# Allegro board MB1167.brd (continued)
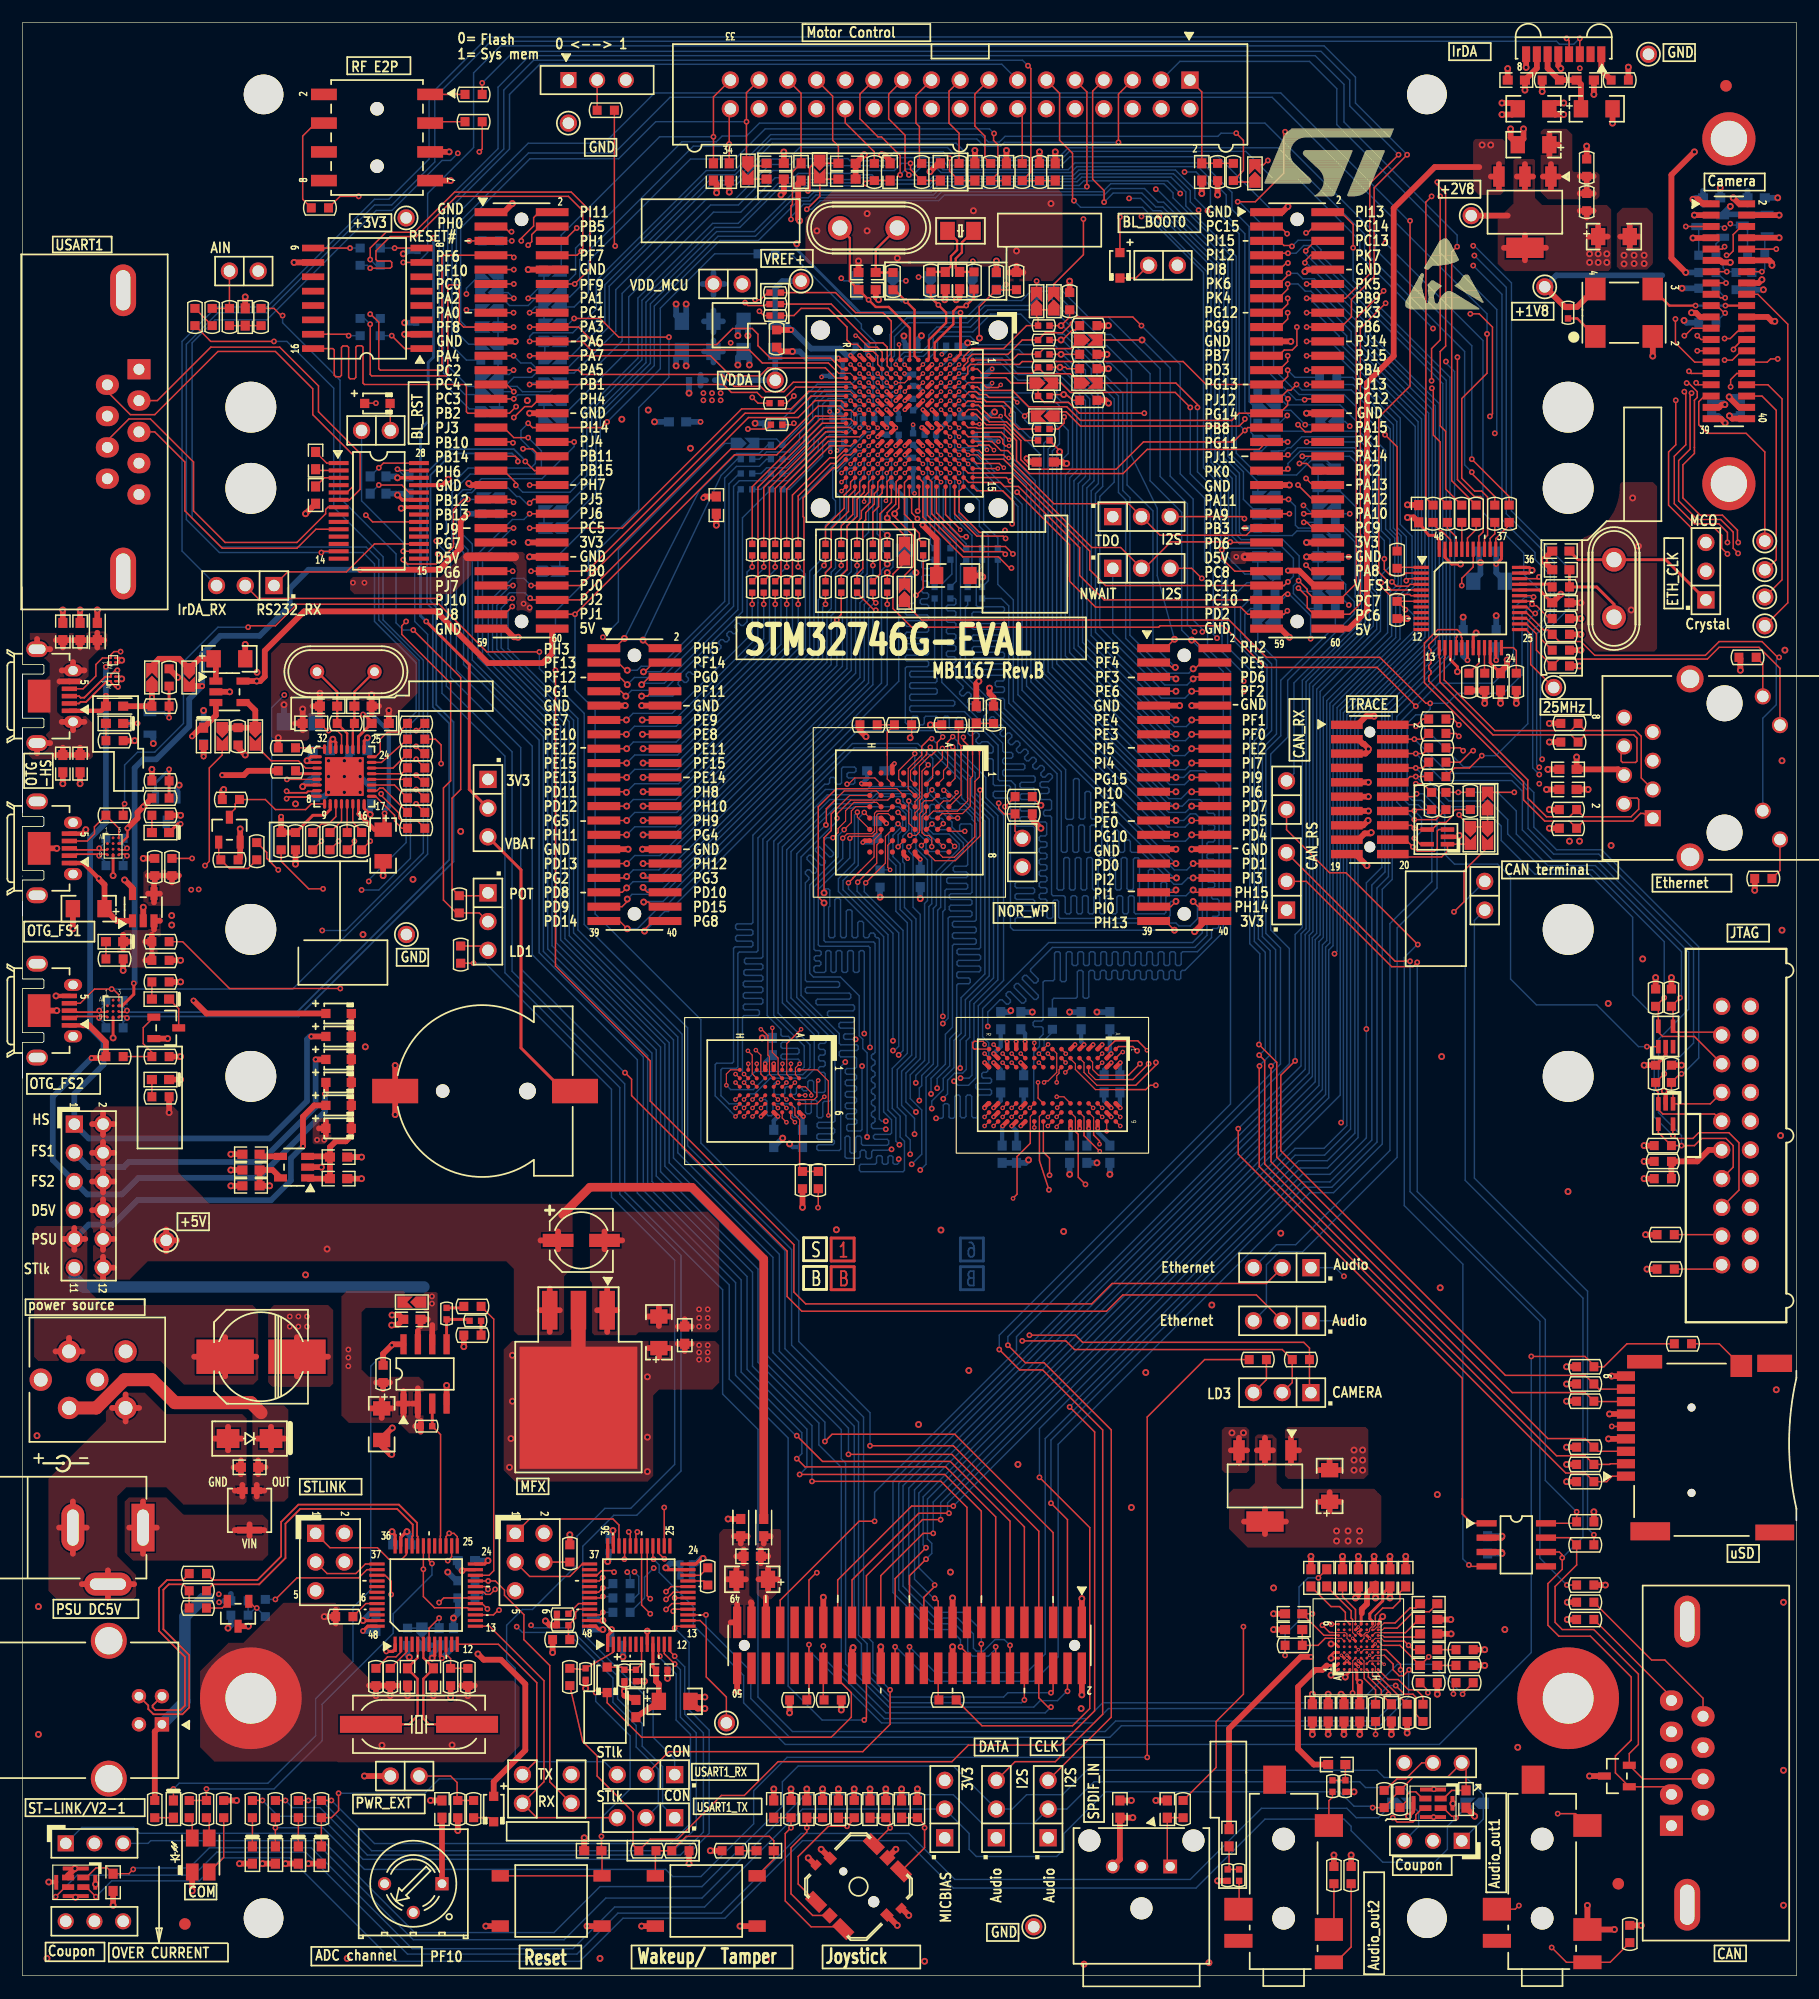
[diagram p0: board, top side]
## Routing (per net, layer and track width the routed paths; a pad name or vN(x,y) marks a point on that pad's centre or on a via; arc(x,y) is an arc through that point) (continued)
  L4_SIG w0.102: v1(43.43,151.96) 43.45,151.94 43.64,151.94 43.94,151.64 44.81,151.64 45.76,150.69 51.37,150.69 54.74,147.32 63.25,147.32 v1(63.88,147.96)
  BOTTOM w0.127: v1(30.73,146.94) 31.11,146.56 R237.2
PF7: length 51.4
  TOP w0.127: v1(64.77,148.21) 65.24,148.21 65.88,148.84 R22.2 ; CN5.8 49.02,152.15 v1(49.4,152.53) 49.53,152.65 49.53,156.08 48.26,157.35 38.35,157.35 34.8,153.8 32.51,153.8 31.24,152.53 31.24,151.76 31.37,151.64 32.51,151.64 32.64,151.51 32.64,151.13 32.51,151 v1(30.73,151)
  L4_SIG w0.102: v1(49.4,152.53) 50.75,152.53 54.86,148.41 64.57,148.41 v1(64.77,148.21)
  BOTTOM w0.127: R228.1 30.48,151.26 v1(30.73,151)
PF8: length 55.2
  TOP w0.127: R41.2 65.02,139.06 v1(64.52,139.57) ; v1(30.73,146.05) 30.73,141.6 30.86,141.48 37.47,141.48 37.59,141.6 37.59,149.4 37.72,149.53 38.48,149.53 38.61,149.4 38.61,146.18 38.99,145.8 CN5.17 v1(43.41,145.8)
  L4_SIG w0.102: v1(64.52,139.57) 64.52,139.85 63.02,141.35 60.99,141.35 59.33,143 51.87,143 49.71,145.16 44.04,145.16 v1(43.41,145.8)
  BOTTOM w0.127: v1(30.73,146.05) 30.23,146.56 R238.1
PF9: length 52.2
  TOP w0.127: R26.2 65.53,146.81 v1(65.15,147.19) ; v1(30.73,151.76) 30.73,152.78 32.13,154.18 34.64,154.18 38.2,157.73 48.51,157.73 50.16,156.08 50.16,150.95 v1(48.82,149.61) CN5.12
  L4_SIG w0.102: v1(48.82,149.61) 51.31,149.61 54.36,146.56 64.52,146.56 v1(65.15,147.19)
  BOTTOM w0.127: R227.2 31.24,151.26 v1(30.73,151.76)
PF10: length 107.1
  TOP w0.127: U4.L1 76.01,143.57 75.56,144.02 74.8,144.02 73.79,145.03 v5(73.66,145.03) ; CN5.9 v1(43.43,150.88) ; JP24.2 40.39,93.98 R302.2 38.35,93.98 37.21,95.12 37.21,105.03 37.85,105.66 37.85,114.3 33.53,118.62 33.53,119.38 v1(33.91,119.76)
  L4_SIG w0.102: v5(73.66,145.03) 72.9,145.03 70.23,147.7 64.52,147.7 63.75,146.94 54.61,146.94 51.31,150.24 44.07,150.24 v1(43.43,150.88) 40.77,150.88 36.83,146.94 36.83,145.54 34.67,143.38 34.67,120.52 v1(33.91,119.76)
PF11: length 109.6
  TOP w0.102: 90.26,74.66 U13.J9
  TOP w0.127: 90.26,74.66 90.26,72.83 90.81,72.29 v1(90.81,70.79) ; CN10.8 55.68,113.59 55.24,113.16 v3(54.74,113.16) ; R51.2 v1(64.52,124.59)
  L4_SIG w0.102: v1(90.81,70.79) 90.63,70.79 89.03,69.19 66.47,69.19 51.31,84.35 51.31,111.84 53.14,113.67 53.85,113.67 54.36,113.16 v3(54.74,113.16)
  BOTTOM w0.127: v1(64.52,124.59) 64.06,124.13 64.06,119.74 63.73,119.4 63.55,119.4 63.36,119.59 63.18,119.59 63,119.41 63,119.23 63.19,119.04 63.19,118.86 63.01,118.68 62.83,118.68 62.64,118.87 62.46,118.87 62.28,118.69 62.28,118.51 62.47,118.32 62.47,118.14 62.29,117.96 62.11,117.96 61.92,118.15 61.74,118.15 61.56,117.97 61.56,117.79 61.75,117.61 61.75,117.43 61.57,117.25 61.39,117.25 61.2,117.43 61.02,117.43 60.84,117.25 60.84,117.07 61.03,116.89 61.03,116.71 60.85,116.53 60.67,116.53 60.48,116.72 60.3,116.72 60.12,116.54 60.12,116.36 60.31,116.17 60.31,115.99 60.13,115.81 59.95,115.81 59.76,116 59.58,116 59.4,115.82 59.4,115.64 59.59,115.45 59.59,115.27 59.41,115.09 59.23,115.09 59.04,115.28 58.86,115.28 58.68,115.1 58.68,114.92 58.87,114.73 58.87,114.55 58.69,114.37 58.51,114.37 58.33,114.56 58.15,114.56 57.97,114.38 57.97,114.2 58.15,114.01 58.15,113.83 57.48,113.16 v3(54.74,113.16)
PG6: length 51.2
  TOP w0.127: U4.J15 77.47,131.55 77.47,129.79 77.11,129.44 v3(77.11,129.29) 77.11,129.01 78.79,127.33 78.79,124.64 77.98,123.83 SB11.1 ; CN5.51 v1(43.33,124.21)
  L4_SIG w0.102: v1(43.33,124.21) 44.2,124.21 44.65,123.75 49.2,123.75 49.91,124.46 62.48,124.46 64.01,122.94 73.91,122.94 74.68,123.7 74.68,126.36 77.11,128.8 v3(77.11,129.29)
PG7: length 47
  TOP w0.127: CN5.47 v1(43.41,126.75) ; SB10.1 77.98,127.38 v3(76.45,128.91) 76.45,129.38 77.2,130.13 77.2,130.71 77.24,130.75 77.24,132.12 U4.J14
  L4_SIG w0.102: v1(43.41,126.75) 43.92,126.24 44.86,126.24 45.62,125.48 61.98,125.48 64.01,123.44 73.53,123.44 74.3,124.21 74.3,126.75 v3(76.45,128.91)
PG8: length 120.6
  TOP w0.102: v5(90.68,82.36) U13.J1
  TOP w0.127: v3(54.99,92.38) 54.99,92.5 55.76,93.27 CN10.40 ; v1(78.99,122.07) 79.02,122.07 79.63,122.68 R61.2
  L4_SIG w0.102: v3(54.99,92.38) 55.22,92.38 55.35,92.25 55.35,91.95 55.42,91.87 55.7,91.87 55.78,91.95 55.78,92.25 55.91,92.38 56.1,92.38 56.2,92.27 56.2,91.91 56.32,91.8 56.49,91.8 56.6,91.91 56.6,92.27 56.71,92.38 56.91,92.38 57.01,92.27 57.01,92.02 57.11,91.92 57.32,91.92 57.42,92.02 57.42,92.27 57.52,92.38 57.72,92.38 57.82,92.27 57.82,92.02 57.93,91.92 58.13,91.92 58.23,92.02 58.23,92.27 58.33,92.38 58.54,92.38 58.64,92.27 58.64,92.02 58.74,91.92 58.94,91.92 59.04,92.02 59.04,92.27 59.14,92.38 59.35,92.38 59.45,92.27 59.45,92.02 59.55,91.92 59.75,91.92 59.86,92.02 59.86,92.27 59.96,92.38 60.16,92.38 60.26,92.27 60.26,92.02 60.36,91.92 60.57,91.92 60.67,92.02 60.67,92.27 60.77,92.38 60.97,92.38 61.08,92.27 61.08,92.02 61.18,91.92 61.38,91.92 61.48,92.02 61.48,92.27 61.58,92.38 61.79,92.38 61.89,92.27 61.89,92.02 61.99,91.92 62.19,91.92 62.29,92.02 62.29,92.27 62.4,92.38 62.6,92.38 62.7,92.27 62.7,92.02 62.8,91.92 63.01,91.92 63.11,92.02 63.11,92.27 63.21,92.38 63.41,92.38 63.51,92.27 63.51,92.02 63.62,91.92 63.82,91.92 63.92,92.02 63.92,92.27 64.02,92.38 64.22,92.38 64.33,92.27 64.33,92.02 64.43,91.92 64.63,91.92 64.73,92.02 64.73,92.27 64.83,92.38 65.04,92.38 65.14,92.27 65.14,92.02 65.24,91.92 65.44,91.92 65.55,92.02 65.55,92.27 65.65,92.38 65.85,92.38 65.95,92.27 65.95,92.02 66.05,91.92 66.26,91.92 66.36,92.02 66.36,92.27 66.46,92.38 66.66,92.38 66.76,92.27 66.76,92.02 66.87,91.92 67.07,91.92 67.17,92.02 67.17,92.27 67.27,92.38 67.48,92.38 67.58,92.27 67.58,92.02 67.68,91.92 67.88,91.92 67.98,92.02 67.98,92.27 68.09,92.38 68.29,92.38 68.39,92.27 68.39,92.02 68.49,91.92 68.7,91.92 68.8,92.02 68.8,92.27 68.9,92.38 69.1,92.38 69.2,92.27 69.2,92.02 69.3,91.92 69.51,91.92 69.61,92.02 69.61,92.27 69.71,92.38 69.91,92.38 70.02,92.27 70.02,92.02 70.12,91.92 70.32,91.92 70.42,92.02 70.42,92.27 70.52,92.38 70.73,92.38 70.83,92.27 70.83,92.02 70.93,91.92 71.13,91.92 71.24,92.02 71.24,92.27 71.34,92.38 71.54,92.38 71.64,92.27 71.64,92.02 71.74,91.92 71.95,91.92 72.05,92.02 72.05,92.27 72.15,92.38 72.35,92.38 72.45,92.27 72.45,92.02 72.56,91.92 72.76,91.92 72.86,92.02 72.86,92.27 72.96,92.38 73.17,92.38 73.27,92.27 73.27,92.02 73.37,91.92 73.57,91.92 73.67,92.02 73.67,92.27 73.78,92.38 73.98,92.38 74.08,92.27 74.08,92.02 74.18,91.92 74.38,91.92 74.49,92.02 74.49,92.27 74.59,92.38 74.79,92.38 74.89,92.27 74.89,92.02 74.99,91.92 75.2,91.92 75.3,92.02 75.3,92.27 75.4,92.38 75.6,92.38 75.71,92.27 75.71,92.02 75.81,91.92 76.01,91.92 76.11,92.02 76.11,92.27 76.21,92.38 76.42,92.38 76.52,92.27 76.52,92.02 76.62,91.92 76.82,91.92 76.92,92.02 76.92,92.27 77.03,92.38 77.23,92.38 77.33,92.27 77.33,92.02 77.43,91.92 77.64,91.92 77.74,92.02 77.74,92.27 77.84,92.38 78.04,92.38 78.14,92.27 78.14,92.02 78.25,91.92 78.45,91.92 78.55,92.02 78.55,92.27 78.65,92.38 78.86,92.38 78.96,92.27 78.96,92.02 79.06,91.92 79.26,91.92 79.36,92.02 79.36,92.27 79.46,92.38 79.67,92.38 79.77,92.27 79.77,92.02 79.87,91.92 80.07,91.92 80.18,92.02 80.18,92.27 80.28,92.38 80.48,92.38 80.58,92.27 80.58,92.02 80.68,91.92 80.89,91.92 80.99,92.02 80.99,92.27 81.09,92.38 81.29,92.38 81.4,92.27 81.4,92.02 81.5,91.92 81.7,91.92 81.8,92.02 81.8,92.27 81.9,92.38 82.11,92.38 82.21,92.27 82.21,92.02 82.31,91.92 82.51,91.92 82.61,92.02 82.61,92.27 82.72,92.38 82.92,92.38 83.02,92.27 83.02,92.02 83.12,91.92 83.33,91.92 83.43,92.02 83.43,92.27 83.53,92.38 83.73,92.38 83.83,92.27 83.83,92.02 83.94,91.92 84.14,91.92 84.24,92.02 84.24,92.27 84.34,92.38 84.54,92.38 84.65,92.27 84.65,92.02 84.75,91.92 84.95,91.92 85.05,92.02 85.05,92.27 85.15,92.38 85.36,92.38 85.46,92.27 85.46,92.02 85.56,91.92 85.76,91.92 85.87,92.02 85.87,92.27 85.97,92.38 86.17,92.38 86.27,92.27 86.27,92.02 86.37,91.92 86.58,91.92 86.68,92.02 86.68,92.27 86.78,92.38 86.98,92.38 87.08,92.27 87.08,92.02 87.19,91.92 87.39,91.92 87.49,92.02 87.49,92.27 87.59,92.38 87.8,92.38 87.9,92.27 87.9,92.02 88,91.92 88.2,91.92 88.3,92.02 88.3,92.27 88.41,92.38 90.5,92.38 90.68,92.2 v5(90.68,82.36)
  BOTTOM w0.127: v1(78.99,122.07) 78.87,121.94 78.87,121.48 78.74,121.35 77.6,121.35 77.47,121.22 77.47,114.47 57.11,94.11 56.77,94.11 55.04,92.38 v3(54.99,92.38)
PG9: length 204.2
  TOP w0.127: R193.2 v1(119.63,21.34) ; v1(111.86,147.07) 111.86,146.51 111.15,145.8 CN6.17 ; v5(82.01,136.09) U4.D9
  L4_SIG w0.089: 116.08,31.5 116.84,30.73 116.84,29.21 117.47,28.57 117.47,26.67
  L4_SIG w0.102: 117.47,26.67 117.47,25.65 117.09,25.27 117.09,24.79 119.63,22.25 v1(119.63,21.34) ; 116.08,31.5 113.03,34.54 113.03,47.5 115.57,50.04 115.57,75.74 117.88,78.05 117.88,86.77 128.98,97.87 129.95,97.87 133.3,101.22 133.3,105.41 v1(134.11,106.22) ; v5(82.01,136.09) 82.37,136.45 84.76,136.45 85.34,137.03 85.34,138.48 85.65,138.79 85.7,138.79 86.36,139.45 86.87,139.45 87.5,140.08 89.66,140.08 90.42,140.84 92.46,140.84 95.76,144.15 108.08,144.15 111,147.07 v1(111.86,147.07) 112.78,147.07 113.26,146.58 115.01,146.58 118.77,150.34 127.38,150.34 v1(128.27,151.23)
  BOTTOM w0.127: v1(128.27,151.23) 130.81,148.69 130.81,128.78 133.73,125.86 133.73,125.25 135.08,123.9 135.08,120.47 133.53,118.92 133.53,106.81 133.93,106.41 133.93,106.41 v1(134.11,106.22)
PG10: length 117
  TOP w0.127: R147.2 70.36,67.94 v1(70.33,67.92) ; U4.C8 v5(82.81,136.89) ; CN11.27 v1(101.98,100.89)
  L4_SIG w0.102: v1(70.33,67.92) 90.53,67.92 94.01,71.4 95.35,71.4 96.01,72.06 96.01,72.2 95.67,72.54 95.67,72.68 95.81,72.83 95.96,72.83 96.3,72.49 96.44,72.49 96.58,72.63 96.58,72.77 96.24,73.11 96.24,73.26 96.39,73.4 96.53,73.4 96.87,73.06 97.01,73.06 97.16,73.21 97.16,73.35 96.82,73.69 96.82,73.83 96.96,73.98 97.11,73.98 97.45,73.64 97.59,73.64 97.73,73.78 97.73,73.92 97.39,74.26 97.39,74.41 97.54,74.55 97.68,74.55 98.02,74.21 98.16,74.21 98.37,74.42 98.37,80.98 99.01,81.61 99.01,86.44 105,92.43 105,100.13 104.88,100.25 102.11,100.25 101.98,100.38 v1(101.98,100.89)
  BOTTOM w0.127: v1(101.98,100.89) 101.17,100.89 88.38,113.68 88.38,130.12 85.09,133.41 85.09,133.6 83.82,134.87 82.65,134.87 82.42,135.1 82.42,136.5 v5(82.81,136.89)
PG11: length 35.9
  TOP w0.127: U4.B8 83.59,136.91 84.34,136.91 84.42,136.83 84.89,136.83 84.93,136.87 86.78,136.87 87.88,135.76 87.88,133.99 89.03,132.84 97.31,132.84 99.44,134.98 109.33,134.98 CN6.33 v1(111.86,135.64)
  BOTTOM w0.127: R252.1 110.49,135.76 SB46.1 111.73,135.76 v1(111.86,135.64)
PG12: length 209.5
  TOP w0.127: CN6.15 111.1,147.07 111.86,147.83 v1(111.86,148.34) ; v1(107.95,30.86) 107.95,24.89 105.54,22.48 105.54,18.41 R215.1 ; U4.C7 v5(82.01,138.49)
  L4_SIG w0.102: v1(107.95,30.86) 107.95,34.42 112.65,39.12 112.65,47.66 115.19,50.2 115.19,75.79 117.45,78.05 117.45,86.84 132.87,102.26 132.87,105.61 v1(134.11,106.86) ; v5(82.01,138.49) 82.45,138.05 82.93,138.05 85.09,140.21 86.61,140.21 87.25,140.84 89.28,140.84 91.19,142.75 92.08,142.75 96.14,146.81 109.35,146.81 110.87,148.34 v1(111.86,148.34) 112.88,148.34 113.49,147.73 114.83,147.73 118.26,151.16 127.41,151.16 v1(128.37,152.12)
  BOTTOM w0.127: v1(134.11,106.86) 133.88,107.09 133.88,118.67 135.43,120.22 135.43,125.04 131.19,129.29 131.19,149.3 v1(128.37,152.12)
PG13: length 34.4
  TOP w0.127: U4.B3 83.58,141.66 83.58,142.25 83.82,142.49 88.14,142.49 88.39,142.75 102.62,142.75 104.65,140.72 CN6.25 111.15,140.72 111.86,141.43 v1(111.86,141.99)
  BOTTOM w0.127: v1(111.86,141.99) 112.5,141.35 R243.1
PG14: length 31.6
  TOP w0.127: v1(111.89,139.45) 111.86,139.42 111.86,138.89 111.15,138.18 CN6.29 107.57,138.18 106.93,137.54 93.54,137.54 92.33,138.75 88.96,138.75 87.52,140.2 84.72,140.2 84.43,140.49 U4.A4
  BOTTOM w0.127: v1(111.89,139.45) 111.51,139.83 111,139.83 R244.1
PG15: length 116.4
  TOP w0.102: v5(89.06,76.74) U13.K7
  TOP w0.127: R44.2 91.69,134.87 v3(91.69,134.77) ; CN11.19 v3(101.98,105.97)
  BOTTOM w0.127: v3(91.69,134.77) 91.44,134.52 91.44,116.03 101.5,105.97 v3(101.98,105.97) 102.67,105.97 103.25,106.55 104.52,106.55 105.79,105.28 105.79,95.85 105.66,95.72 105.26,95.72 105.13,95.59 105.13,95.34 105.26,95.21 105.66,95.21 105.79,95.08 105.79,94.83 105.66,94.7 105.26,94.7 105.13,94.58 105.13,94.32 105.26,94.19 105.66,94.19 105.79,94.07 105.79,93.81 105.66,93.69 105.26,93.69 105.13,93.56 105.13,93.24 105.26,93.11 105.64,93.11 105.77,92.99 105.77,92.73 105.64,92.61 105.26,92.61 105.13,92.48 105.13,91.8 103.88,90.55 102.57,90.55 102.45,90.42 102.45,89.46 102.32,89.33 102.07,89.33 101.94,89.46 101.94,90.42 101.81,90.55 101.56,90.55 101.43,90.42 101.43,89.46 101.3,89.33 101.05,89.33 100.92,89.46 100.92,90.42 100.8,90.55 100.54,90.55 100.41,90.42 100.41,89.46 100.29,89.33 100.03,89.33 99.91,89.46 99.91,90.42 99.78,90.55 99.53,90.55 99.4,90.42 99.4,89.46 99.27,89.33 99.02,89.33 98.89,89.46 98.89,90.42 98.76,90.55 98.51,90.55 98.38,90.42 98.38,89.46 98.26,89.33 98,89.33 97.87,89.46 97.87,90.42 97.75,90.55 97.49,90.55 97.37,90.42 97.37,89.46 97.24,89.33 96.99,89.33 96.86,89.46 96.86,90.42 96.73,90.55 96.48,90.55 96.35,90.42 96.35,89.46 96.22,89.33 95.97,89.33 95.84,89.46 95.84,90.42 95.72,90.55 95.46,90.55 95.33,90.42 95.33,89.46 95.21,89.33 94.95,89.33 94.83,89.46 94.83,90.42 94.7,90.55 94.45,90.55 94.32,90.42 94.32,89.46 94.19,89.33 93.94,89.33 93.81,89.46 93.81,90.42 93.68,90.55 93.43,90.55 93.3,90.42 93.3,89.46 93.18,89.33 92.92,89.33 92.79,89.46 92.79,90.42 92.67,90.55 92.41,90.55 92.29,90.42 92.29,88.04 92.16,87.91 91.88,87.91 91.76,88.04 91.76,90.42 91.63,90.55 91.38,90.55 91.25,90.42 91.25,88.11 91.12,87.99 90.36,87.99 90.23,87.86 90.23,84.55 90.11,84.42 89.48,84.42 89.36,84.3 89.36,84.04 89.48,83.92 90.11,83.92 90.23,83.79 90.23,83.25 89.92,82.93 89.92,82.17 89.41,81.66 89.41,77.09 v5(89.06,76.74)
PH0: length 8
  TOP w0.203: R19.1 77.09,149.1 v1(78.11,148.08) 78.87,147.32 78.87,143.23 U4.G1
  BOTTOM w0.203: 77.47,148.34 77.72,148.08 v1(78.11,148.08)
PH1: length 16.2
  TOP w0.203: X1.1 73.15,153.67 73.15,149.86 C23.1 v1(74.8,148.21) 75.44,147.57 76.58,147.57 78.46,145.69 78.46,142.94 U4.H1
  BOTTOM w0.127: v1(74.8,148.21) 74.12,148.89 73.78,148.89
PH2: length 122.5
  TOP w0.127: CN11.2 104.34,117.4 103.63,118.11 v3(103.38,118.11) ; v5(76.41,140.89) U4.K4
  BOTTOM w0.127: v5(76.41,140.89) 76.41,141.09 75.98,141.52 75.98,141.84 75.98,142.65 76.71,143.38 76.71,145.14 78.18,146.61 83.41,146.61 84.95,148.15 88.33,148.15 89.15,148.97 91.19,148.97 95.01,145.15 96.22,145.15 99.69,141.67 99.69,132.21 102.49,129.41 102.49,119 v3(103.38,118.11) 106.17,115.32 106.17,92.3 102.77,88.9 102.53,88.9 102.41,88.77 102.41,88.21 102.28,88.09 102.03,88.09 101.9,88.21 101.9,88.77 101.77,88.9 101.52,88.9 101.39,88.77 101.39,88.21 101.26,88.09 101.01,88.09 100.88,88.21 100.88,88.77 100.76,88.9 100.5,88.9 100.37,88.77 100.37,88.21 100.25,88.09 99.99,88.09 99.87,88.21 99.87,88.77 99.74,88.9 99.49,88.9 99.36,88.77 99.36,88.21 99.23,88.09 98.98,88.09 98.85,88.21 98.85,88.77 98.72,88.9 98.47,88.9 98.34,88.77 98.34,88.21 98.22,88.09 97.96,88.09 97.83,88.21 97.83,88.77 97.71,88.9 97.45,88.9 97.33,88.77 97.33,88.21 97.2,88.09 96.95,88.09 96.82,88.21 96.82,88.77 96.69,88.9 96.44,88.9 96.31,88.77 96.31,88.21 96.18,88.09 95.93,88.09 95.8,88.21 95.8,88.77 95.68,88.9 95.42,88.9 95.29,88.77 95.29,88.21 95.17,88.09 94.91,88.09 94.79,88.21 94.79,88.77 94.66,88.9 94.41,88.9 94.28,88.77 94.28,86.56 94.15,86.44 93.9,86.44 93.77,86.56 93.77,88.77 93.64,88.9 93.39,88.9 93.26,88.77 93.26,86.56 93.14,86.44 91.19,86.44 91.06,86.31 R287.2
PH3: length 113.9
  TOP w0.102: 89.92,74.66 89.9,74.67 89.9,75.98 U13.J8
  TOP w0.127: v1(90.75,69.49) 89.92,72.06 89.92,74.66 ; v3(53.21,118.26) 52.35,117.4 CN10.1
  L4_SIG w0.102: v1(90.75,69.49) 89.51,68.25 86.79,68.25 86.56,68.48 66.12,68.48 50.67,83.92 50.67,112.09 v3(53.21,118.26)
  BOTTOM w0.127: v3(53.21,118.26) 59.82,131.29 63.14,134.62 65.15,134.62 65.91,135.38 R251.1
PH4: length 111.6
  TOP w0.127: v1(43.43,137.79) 44.4,138.76 45.01,138.76 45.69,139.45 CN5.28 ; R123.2 v1(26.42,100.33) ; U4.H4 v5(78.01,140.09)
  L4_SIG w0.102: v5(78.01,140.09) 77.62,139.7 77.62,138.4 77.01,137.79 76.61,137.79 76.11,137.29 73.79,137.29 72.9,136.4 68.78,136.4 66.42,134.04 56.85,134.04 54.23,136.65 43.74,136.65 43.48,136.91 43.48,137.74 v1(43.43,137.79) 43.05,138.18 39.04,138.18 38.86,138 38.86,112.17 34.9,108.2 33.17,108.2 33.05,108.08 33.05,107.79 33.15,107.69 33.91,107.69 34.01,107.58 34.01,107.38 33.91,107.28 33.15,107.28 33.05,107.18 33.05,106.98 33.15,106.87 33.91,106.87 34.01,106.77 34.01,106.57 33.91,106.47 33.15,106.47 33.05,106.37 33.05,106.16 33.15,106.06 33.91,106.06 34.01,105.96 34.01,105.76 33.91,105.65 33.15,105.65 33.05,105.55 33.05,105.35 33.15,105.25 33.91,105.25 34.01,105.15 34.01,104.94 33.91,104.84 33.15,104.84 33.05,104.74 33.05,104.51 33.15,104.41 33.86,104.41 33.96,104.31 33.96,104.1 33.86,104 33.15,104 33.05,103.9 33.05,103.7 33.15,103.6 33.86,103.6 33.96,103.5 33.96,103.29 33.86,103.19 33.15,103.19 33.05,103.09 33.05,102.89 33.15,102.78 33.86,102.78 33.96,102.68 33.96,102.48 33.86,102.38 33.15,102.38 33.05,102.28 33.05,102.07 33.15,101.97 33.86,101.97 33.96,101.87 33.96,101.67 33.86,101.56 33.15,101.56 33.05,101.46 33.05,100.41 32.46,99.82 26.92,99.82 v1(26.42,100.33)
PH5: length 107.7
  TOP w0.102: 89.1,74.66 89.1,75.98 U13.K8
  TOP w0.127: 89.1,74.66 89.1,73.61 87.93,72.44 87.93,69.11 87.58,68.76 v5(87.58,68.73) ; v3(54.86,118.11) 55.58,117.4 CN10.2
  L4_SIG w0.102: v5(87.58,68.73) 87.48,68.83 66.27,68.83 51,84.1 51,112.09 53.07,117.23 53.95,118.11 v3(54.86,118.11)
  BOTTOM w0.127: v3(54.86,118.11) 61.76,132.68 63.2,134.11 R254.1
PH6: length 176.9
  TOP w0.127: v5(73.21,132.89) U4.P13 ; v1(125.35,157.35) 125.35,144.65 124.59,143.89 v1(124.59,141.05) ; v1(43.61,131.8) 43.61,132.03 42.55,133.1 CN5.37
  L4_SIG w0.102: v1(103.99,156.13) 104.5,155.63 106.93,155.63 108.94,157.63 123.55,157.63 124.26,156.92 124.92,156.92 v1(125.35,157.35) ; v1(124.59,141.05) 124.36,140.82 118.47,140.82 115.06,137.41 113.67,137.41 v1(113.41,137.16) ; v1(43.61,131.8) 44.17,131.8 44.65,132.28 45.06,132.28 46.18,131.17 49.38,131.17 50.32,130.23 63.69,130.23 66.02,127.89 71.5,127.89 73.41,129.79 73.41,132.69 v5(73.21,132.89)
  BOTTOM w0.127: SB45.1 114.53,137.16 v1(113.41,137.16) 112.14,138.43 111.12,138.43 111,138.56 ; v1(43.61,131.8) 44.22,131.19 48.41,131.19 49.89,132.66 49.89,138.02 54.76,142.9 54.76,148.16 61.21,154.61 63.42,154.61 66.93,158.12 68.58,158.12 69.01,158.55 73.63,158.55 74.09,159 74.85,159 75.41,158.45 80.24,158.45 80.7,158.9 93.07,158.9 93.51,159.35 101.76,159.35 103.25,157.86 103.25,156.87 v1(103.99,156.13)
PH7: length 166.1
  TOP w0.127: v1(124.59,157.35) 124.08,156.84 124.08,130.68 R45.2 ; v5(74.01,132.89) U4.N13 ; CN5.40 v1(44.83,131.83)
  L4_SIG w0.102: v1(104.78,156.08) 105.84,156.08 107.67,157.91 124.03,157.91 v1(124.59,157.35) ; v1(44.83,131.83) 45.92,130.73 49.25,130.73 50.14,129.84 63.53,129.84 65.87,127.51 71.81,127.51 74.01,129.71 v5(74.01,132.89)
  BOTTOM w0.127: v1(44.83,131.83) 48.36,131.83 49.53,132.99 49.53,138.18 54.41,143.05 54.41,148.36 61.01,154.97 63.27,154.97 66.8,158.5 68.45,158.5 68.79,158.84 73.29,158.84 73.71,159.26 75.1,159.26 75.56,158.8 80.21,158.8 80.57,159.16 92.86,159.16 93.39,159.68 101.94,159.68 103.66,157.96 103.66,157.2 v1(104.78,156.08)
PI4: length 125.7
  TOP w0.102: 93.09,74.66 93.09,75.91 U13.F8
  TOP w0.127: v1(93.98,69.98) 93.34,70.61 93.34,74.4 93.09,74.66 ; CN11.17 v3(101.98,107.24) ; v5(82.81,141.69) U4.C3
  L4_SIG w0.102: v1(93.98,69.98) 94.49,69.98 99.75,75.23 99.75,79.4 99.87,79.53 100.59,79.53 100.69,79.43 100.69,78.61 100.79,78.51 101,78.51 101.1,78.61 101.1,79.43 101.2,79.53 101.4,79.53 101.51,79.43 101.51,78.61 101.61,78.51 101.81,78.51 101.91,78.61 101.91,79.43 102.01,79.53 102.22,79.53 102.32,79.43 102.32,78.61 102.42,78.51 102.62,78.51 102.72,78.61 102.72,79.43 102.83,79.53 103.03,79.53 103.13,79.43 103.13,78.61 103.23,78.51 103.44,78.51 103.54,78.61 103.54,79.43 103.64,79.53 103.84,79.53 103.94,79.43 103.94,78.61 104.05,78.51 104.25,78.51 104.35,78.61 104.35,79.43 104.45,79.53 104.65,79.53 104.76,79.43 104.76,78.61 104.86,78.51 105.06,78.51 105.16,78.61 105.16,79.43 105.26,79.53 105.47,79.53 105.57,79.43 105.57,78.61 105.67,78.51 105.87,78.51 105.98,78.61 105.98,79.43 106.08,79.53 106.2,79.53 106.32,79.4 106.32,78.64 106.45,78.51 106.65,78.51 106.78,78.64 106.78,79.86 106.68,79.96 106.22,79.96 106.12,80.06 106.12,80.27 106.22,80.37 106.68,80.37 106.78,80.47 106.78,80.67 106.68,80.78 106.22,80.78 106.12,80.88 106.12,81.08 106.22,81.18 106.68,81.18 106.78,81.28 106.78,105.79 104.85,107.72 102.46,107.72 v3(101.98,107.24)
  BOTTOM w0.127: v3(101.98,107.24) 101.68,107.24 92.2,116.71 92.2,132.72 92.84,133.35 92.84,138.78 92.41,139.21 91.84,139.21 91.44,139.6 91.44,140.21 90.55,141.1 88.01,141.1 86.44,142.67 84.5,142.67 83.52,141.69 v5(82.81,141.69)
PI5: length 124.5
  TOP w0.102: 97.73,78.36 94.87,78.36 93.09,80.14 93.09,80.64 92.66,81.08 U13.F2
  TOP w0.127: 97.73,78.36 99.31,78.36 99.69,78.74 v1(100.2,78.74) ; v5(82.01,141.69) U4.D3 ; CN11.15 v3(101.98,108.51)
  L4_SIG w0.102: v3(101.98,108.51) 101.98,108.13 102.08,108.03 105.26,108.03 107.16,106.12 107.16,76.95 107.04,76.83 106.88,76.83 106.76,76.95 106.76,78.08 106.63,78.21 106.41,78.21 106.3,78.11 106.3,76.95 106.19,76.83 106.02,76.83 105.9,76.95 105.9,78.11 105.8,78.21 105.59,78.21 105.49,78.11 105.49,76.95 105.37,76.83 105.2,76.83 105.09,76.95 105.09,78.11 104.98,78.21 104.78,78.21 104.68,78.11 104.68,76.95 104.56,76.83 104.39,76.83 104.27,76.95 104.27,78.11 104.17,78.21 103.97,78.21 103.87,78.11 103.87,76.95 103.75,76.83 103.58,76.83 103.46,76.95 103.46,78.11 103.36,78.21 103.16,78.21 103.05,78.11 103.05,76.95 102.93,76.83 102.77,76.83 102.65,76.95 102.65,78.11 102.55,78.21 102.34,78.21 102.24,78.11 102.24,76.95 102.12,76.83 101.95,76.83 101.83,76.95 101.83,78.11 101.73,78.21 101.53,78.21 101.43,78.11 101.43,76.95 101.31,76.83 101.14,76.83 101.02,76.95 101.02,78.08 100.89,78.21 100.71,78.21 100.58,78.08 100.58,76.96 100.46,76.83 100.25,76.83 100.13,76.96 100.13,78.66 v1(100.2,78.74)
  BOTTOM w0.127: v5(82.01,141.69) 82.41,142.09 83.34,142.09 84.3,143.05 86.6,143.05 88.04,141.6 91.12,141.6 91.46,141.27 91.46,141.27 93.6,139.13 93.6,132.84 92.96,132.21 92.96,117.4 101.85,108.51 v3(101.98,108.51)
PI8: length 225.6
  TOP w0.127: v1(111.89,151.46) 111.73,151.46 111.15,150.88 CN6.9 ; U4.C2 v5(82.81,142.49)
  L4_SIG w0.102: v1(55.8,36.04) 56.29,35.56 69.34,35.56 70.03,34.87 73.8,34.87 117.12,78.19 117.12,87.02 132.54,102.44 132.54,105.99 134.11,107.57 v1(134.37,107.57) ; v1(128.27,152.98) 127.23,151.94 113.06,151.94 112.57,151.46 v1(111.89,151.46) 111.84,151.51 110.26,151.51 109.55,152.22 96.47,152.22 92.84,148.59 91.31,148.59 90.3,147.57 85.85,147.57 82.81,144.53 v5(82.81,142.49)
  BOTTOM w0.127: v1(128.27,152.98) 128.37,152.98 131.65,149.71 131.65,129.54 136.73,124.46 136.73,120.9 134.21,118.39 134.21,107.72 v1(134.37,107.57) ; v1(55.8,36.04) 54.99,35.23 54.99,33.4 R295.1
PI11: length 116.4
  TOP w0.127: v1(44.09,153.42) 44.09,153.64 45.18,154.73 45.18,155.47 45.67,155.96 CN5.2 ; U4.F3 v5(80.41,141.69) ; R124.2 v1(27.94,100.33)
  L4_SIG w0.102: v1(27.94,100.33) 27.94,102.03 28.07,102.16 28.42,102.16 28.55,102.03 28.55,101.09 28.68,100.97 30.1,100.97 31.24,102.11 31.24,109.73 34.24,112.73 34.24,116.76 31.62,119.38 31.62,126.62 34.04,129.03 34.04,139.01 33.63,139.42 33.63,143.61 35.84,145.82 35.84,147.09 41.71,152.96 43.64,152.96 v1(44.09,153.42) 44.22,153.54 52.96,153.54 55.12,151.38 69.52,151.38 73.46,147.45 75.87,147.45 77.11,146.2 77.11,143.97 77.6,143.48 78.18,143.48 79.12,142.54 79.12,141.45 79.27,141.3 79.76,141.3 80.14,141.69 v5(80.41,141.69)
PI12: length 203.2
  TOP w0.127: CN6.7 111.1,152.15 111.28,152.32 v1(111.89,152.32) ; U4.E3 v5(81.21,141.69) ; v1(78.42,29.08) CN20.26
  L4_SIG w0.102: v1(111.89,152.32) 110.49,152.32 109.96,152.86 92.66,152.86 90.32,150.52 90.32,149.63 89.28,148.59 85.72,148.59 81.65,144.52 81.65,142.13 v5(81.21,141.69)
  BOTTOM w0.127: v1(78.42,29.08) 80.71,26.8 88.77,26.8 90.42,28.45 90.42,47.5 113.12,70.2 115.6,70.2 119.3,73.9 119.3,96.44 120.47,97.61 120.47,112.19 125.58,117.3 125.58,140.79 114.31,152.07 114.31,152.56 113.86,153.01 113.28,153.01 112.6,152.32 v1(111.89,152.32)
PI13: length 212.5
  TOP w0.127: CN6.2 116.56,155.96 117.65,154.86 v1(117.65,152.81) ; v1(77.15,29.08) CN20.28 ; U4.G3 v5(79.61,141.69)
  L4_SIG w0.102: v1(117.65,152.81) 114.51,152.81 113.95,153.37 110.69,153.37 110.49,153.57 91.97,153.57 88.39,149.99 85.09,149.99 80.9,145.8 80.9,144.91 80.04,144.04 80.04,142.18 79.61,141.75 v5(79.61,141.69)
  BOTTOM w0.127: v1(77.15,29.08) 77.22,29.08 80.26,26.04 89.41,26.04 91.57,28.19 91.57,46.99 113.82,69.24 115.92,69.24 120.23,73.55 120.23,96.07 121.11,96.95 121.11,111.68 126.21,116.79 126.21,141.35 117.65,149.91 v1(117.65,152.81)
PI14: length 174.1
  TOP w0.127: v1(74.42,22.61) 74.61,22.8 CN20.32 ; v1(51.69,137.41) 51.18,136.91 CN5.32 45.09,136.91 v1(44.7,137.29)
  BOTTOM w0.127: v1(74.42,22.61) 70.7,22.61 67.69,25.61 67.69,47.55 62.48,52.76 62.48,61.09 54.36,69.22 54.36,81 45.06,90.3 45.06,108.74 38.35,115.44 38.35,125.73 37.47,126.62 37.47,131.4 39.39,133.32 44.93,133.32 45.34,133.73 45.34,134.59 44.07,135.86 44.07,136.65 v1(44.7,137.29) ; R225.1 61.2,152.27 56.39,147.47 56.39,142.11 v1(51.69,137.41)
PK7: length 201.8
  TOP w0.127: v1(89.92,44.07) 94.36,39.62 94.36,23.62 92.84,22.1 84.84,22.1 R192.2 ; CN6.8 113.89,152.15 113.39,151.64 v1(113.39,151.49) ; U4.C4 v5(82.81,140.89)
  L4_SIG w0.102: v1(113.39,151.49) 113.23,151.49 112.78,151.03 110.01,151.03 108.33,149.35 94.74,149.35 93.09,147.7 91.57,147.7 87.88,144.02 85.98,144.02 82.85,140.89 v5(82.81,140.89)
  BOTTOM w0.127: v1(89.92,44.07) 89.92,48.39 112.95,71.42 115.39,71.42 118.08,74.12 118.08,110.92 124.92,117.75 124.92,138.83 118.71,145.03 118.71,146.27 113.49,151.49 v1(113.39,151.49)
PWR_ENN: length 12.9
  TOP w0.127: R159.2 36.96,47.85 36.96,38.89 36.94,38.87 U21.28
  TOP w0.254: U17.3 R159.2
RESET#: length 372.7
  TOP w0.127: D2.1 30.27,139.06 v1(31.24,139.06) ; v5(77.5,144.25) 77.54,144.21 77.54,142.96 U4.J1 ; U21.18 37.24,33.41 v1(36.83,32.99) ; U6.29 133.01,121.04 133.58,120.47 v1(133.76,120.47) ; CN20.36 72.07,26.23 73.28,25.02 73.28,22.86 71.5,21.08 54.74,21.08 51.69,24.13 D16.2 v1(50.67,25.04) ; v1(22.61,97.79) 21.59,98.81 21.59,99.33 20.71,100.2 R127.2 ; B1.2 B1.3 51.24,10.99 C99.2 v1(51.18,12.32) ; R104.2 126.62,106.81 127.94,106.81 v1(129.03,107.89)
  L4_SIG w0.102: v1(50.67,25.04) 50.67,26.8 48.39,29.08 41.38,29.08 37.47,32.99 v1(36.83,32.99) 34.39,32.99 30.81,36.57 30.81,61.54 27.56,64.79 27.56,86.61 27.33,86.84 27.33,93.07 v1(22.61,97.79) ; v1(23.14,113.26) 22.05,114.35 22.05,118.06 30.86,126.87 30.86,135.13 31.24,135.51 v1(31.24,139.06) 31.24,141.73 35.46,145.95 35.46,147.28 41.6,153.42 v1(43.26,153.42) 43.28,153.42 43.76,153.9 53.24,153.9 55.3,151.84 69.52,151.84 73.65,147.71 76.09,147.71 77.39,146.41 77.39,144.35 v5(77.5,144.25) 77.78,143.97 79.45,143.97 80.39,144.91 80.39,145.92 82.04,147.57 82.04,148.59 83.69,150.24 87.91,150.24 91.59,153.92 110.97,153.92 111.28,153.62 120.12,153.62 v1(120.5,153.24)
  BOTTOM w0.127: v1(22.61,97.79) 22.02,98.37 22.02,112.14 v1(23.14,113.26) ; v1(120.5,153.24) 129.13,144.6 129.13,129.41 132.74,125.81 132.74,123.93 134.26,122.4 134.26,120.98 v1(133.76,120.47) 133.1,119.81 133.1,110.72 130.27,107.89 v1(129.03,107.89) ; v1(51.18,12.32) 51.18,13.97 53.72,16.51 53.72,21.21 50.67,24.26 v1(50.67,25.04) ; v1(43.26,153.42) R224.1
STL_USB_DM: length 26.1
  TOP w0.155: R166.2 16.83,34.99 20.76,34.99 22.86,37.08 22.86,40.13 24.38,41.66 33.27,41.66 34.88,40.05 34.88,38.9 34.94,38.84 U21.32
STL_USB_DP: length 25.5
  TOP w0.155: R169.2 16.83,34.61 20.92,34.61 23.24,36.93 23.24,39.97 24.54,41.27 33.12,41.27 34.5,39.89 34.5,38.9 34.44,38.84 U21.33
STLINK_RX: length 28.6
  TOP w0.127: U21.13 41.28,30.9 46.1,26.09 46.1,17.14 CN23.1 45.47,13.97 JP20.3
STLINK_TX: length 26.4
  TOP w0.127: CN23.2 45.47,19.05 45.47,25.91 42.07,29.3 U21.12
  BOTTOM w0.127: JP14.3 51.44,18.92 45.34,18.92 CN23.2
STM_JTCK_SWCLK: length 6.2
  TOP w0.127: CN18.3 26.92,35.56 29.46,35.56 30.31,36.41 U21.37
STM_JTMS_SWDIO: length 9.9
  TOP w0.127: CN18.1 27.18,37.85 31.37,37.85 32.38,36.83 33.53,36.83 33.94,37.24 U21.34
STM_RST: length 6.4
  TOP w0.127: U21.7 35.94,30.73 v1(36.83,31.62)
  BOTTOM w0.127: v1(36.83,31.62) C175.2 SB64.2 R297.1
T_JTDO: length 265
  TOP w0.127: U21.16 39.48,32.41 39.34,32.54 36.42,32.54 35.44,33.52 v1(35.44,35.94) U21.31 ; R99.2 127.13,108.58 v1(127.38,108.33) ; v1(151.69,125.78) 151.69,125.81 151.26,126.24 151.26,127.67 150.14,128.78 148.08,128.78 146.43,130.43 146.43,133.99 147.45,135 147.45,139.7 147.57,139.83 v1(147.57,139.95)
  L4_SIG w0.102: v1(147.57,139.95) 147.47,139.95 146.3,138.79 145.9,138.79 140.11,144.58 133.15,144.58 120.45,131.88 113.39,131.88 112.88,132.38 103.84,132.38 103.02,131.57 98.93,131.57 JP4.1 ; v1(35.44,35.94) 36.17,35.2 38.2,35.2 40.51,32.89 41.27,32.89 41.53,32.64 41.53,32.28 41.92,31.89 48.66,31.89 50.29,33.53 50.29,38.15 52.22,40.08 54.91,40.08 56.01,38.99 72.82,38.99 76.3,42.47 78.21,42.47 115.11,79.38 115.11,87.53 129.77,102.18 129.77,105.16 127.38,107.54 v1(127.38,108.33) 128.52,109.47 131.95,109.47 134.11,111.63 135.53,111.63 140,116.1 142.74,116.1 146.43,119.79 149.96,119.79 151.69,121.52 v1(151.69,125.78)
